# Altium PCB PCB2.PcbDoc
Units mil, origin at the board's own origin, x right, y up, seen from the top; angles counter-clockwise.
Board outline 3947.04 x 3947.04 mil, 2 copper layers (Top Layer, Bottom Layer); 102 components, 107 nets, 491 pads, 69 vias.
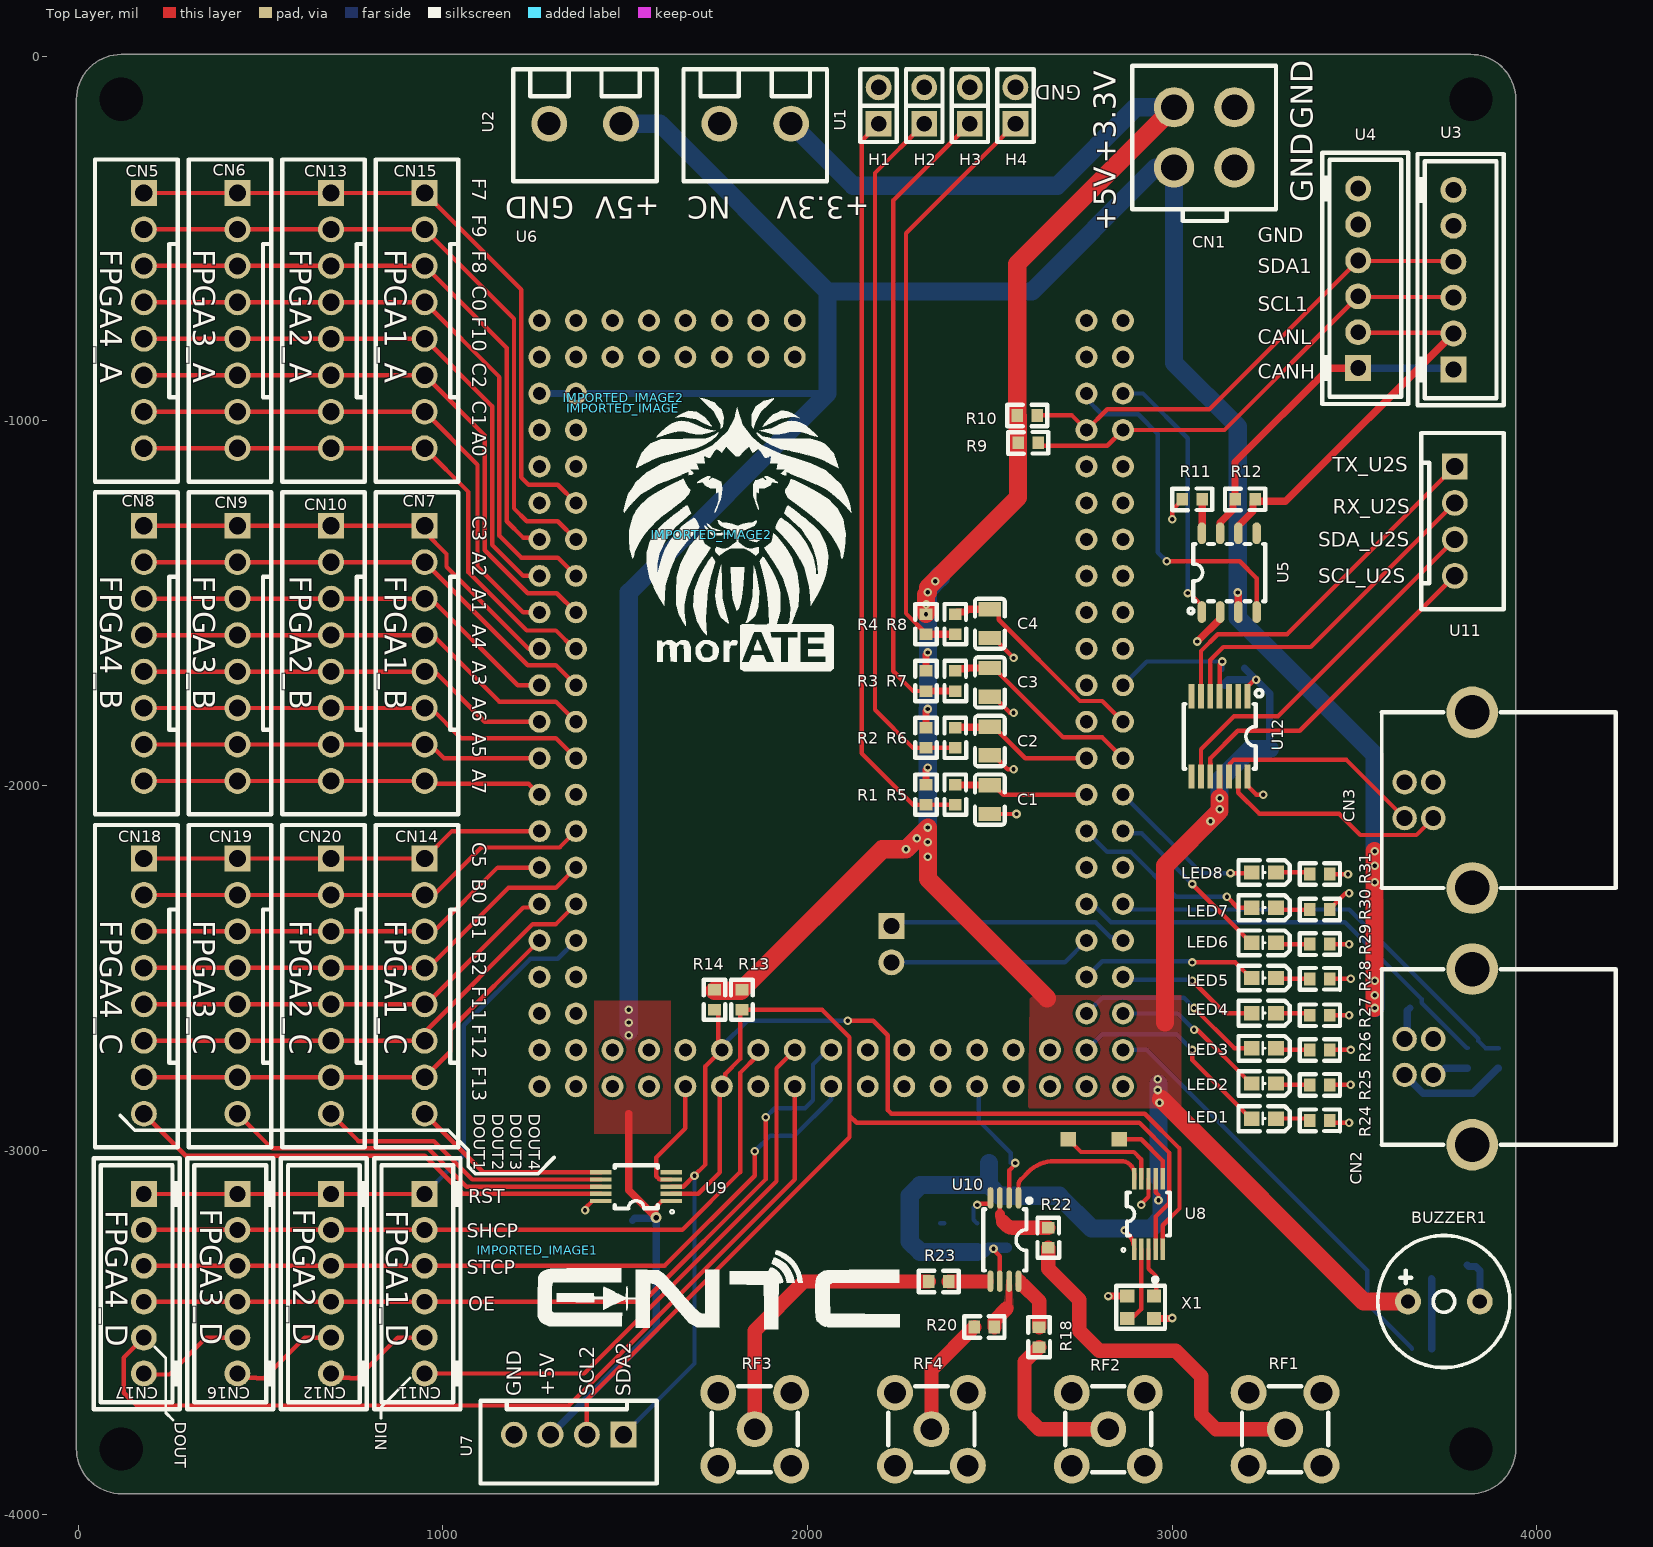
[diagram p0: Top Layer view]
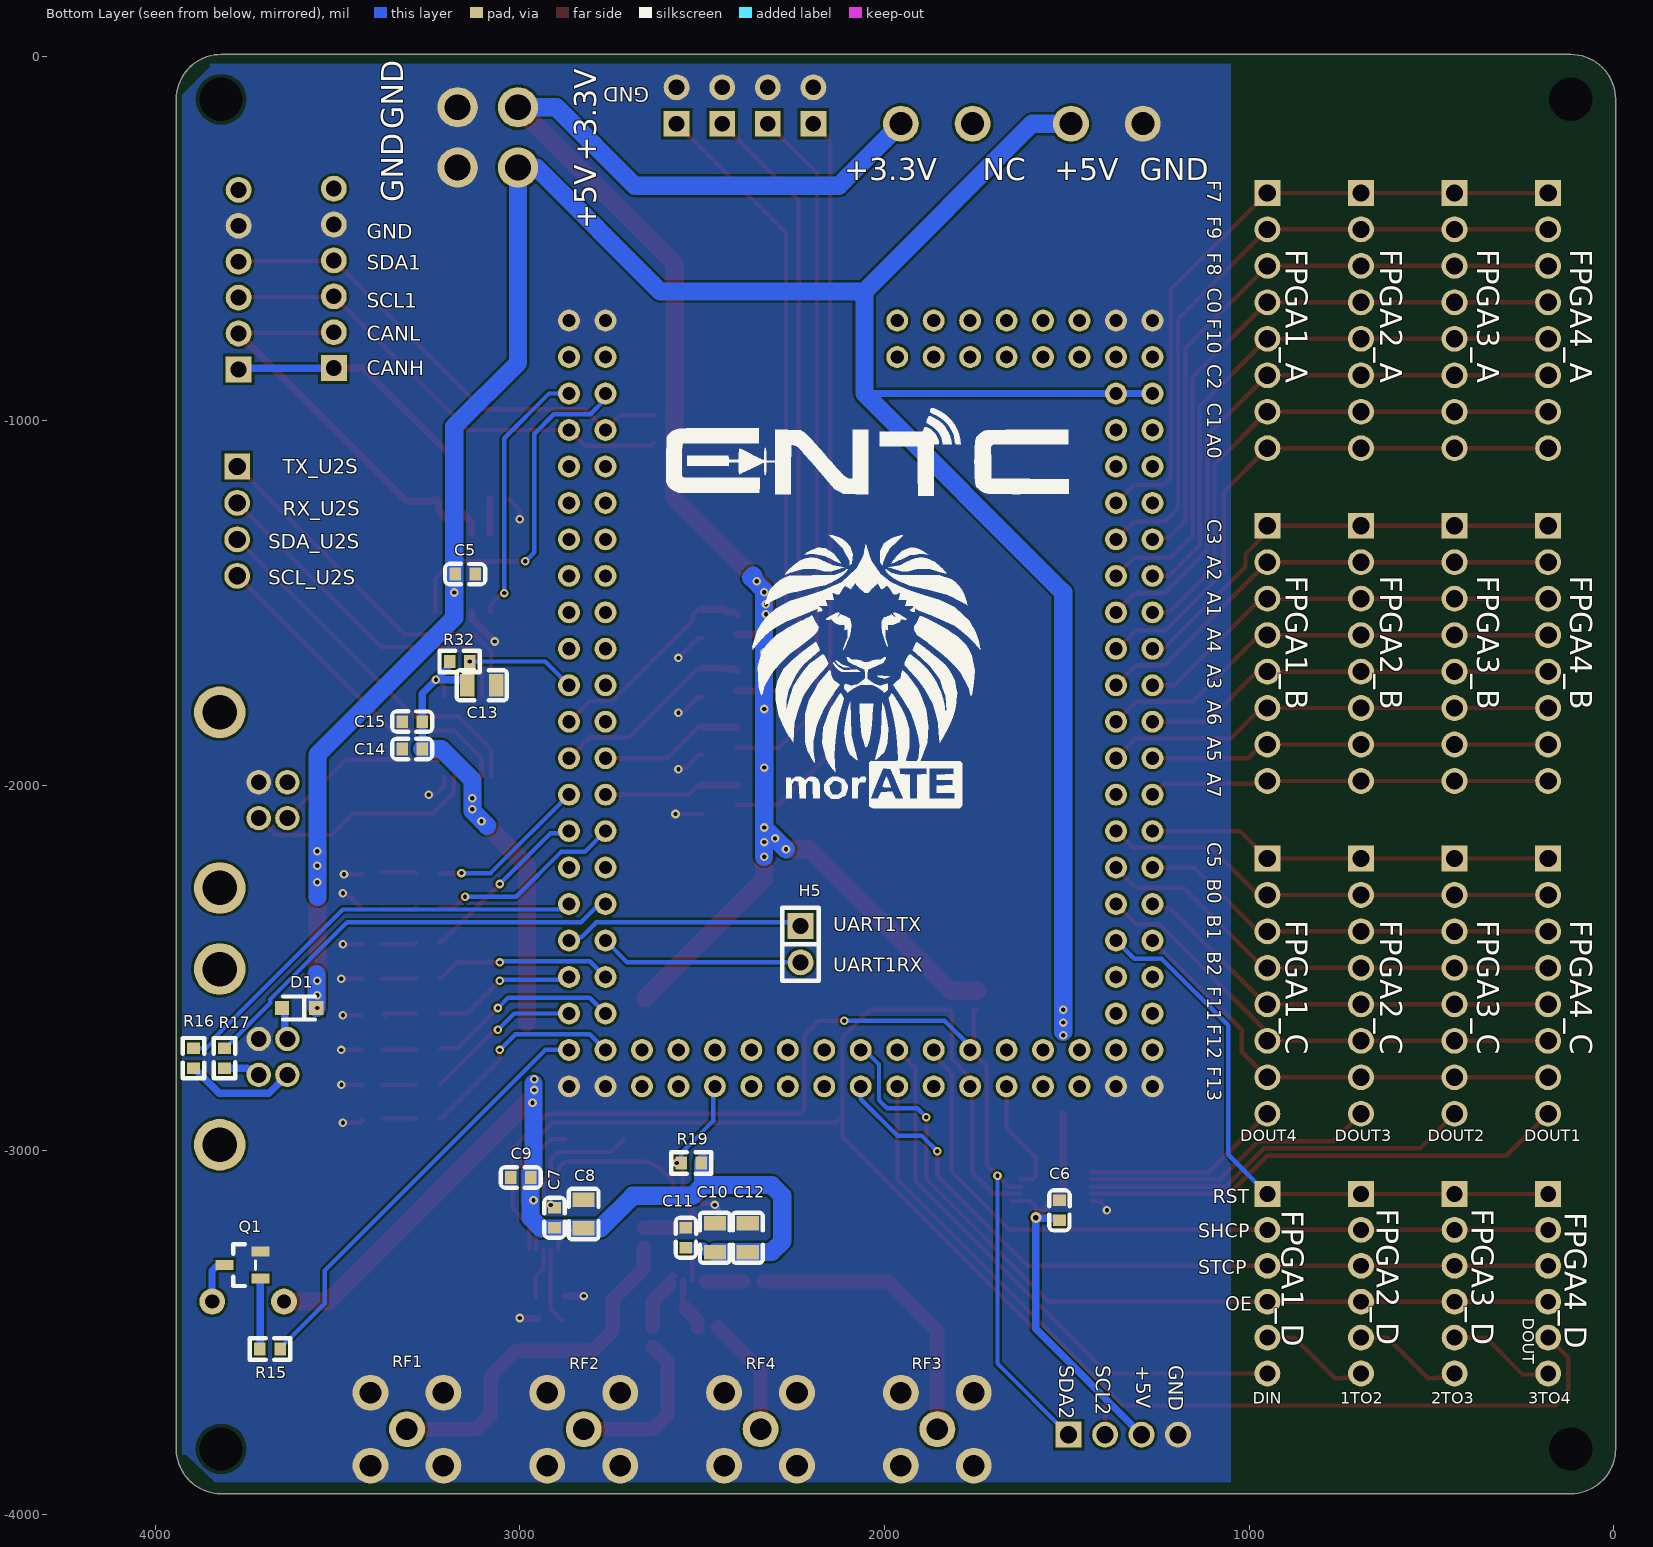
[diagram p1: Bottom Layer view, seen from below]
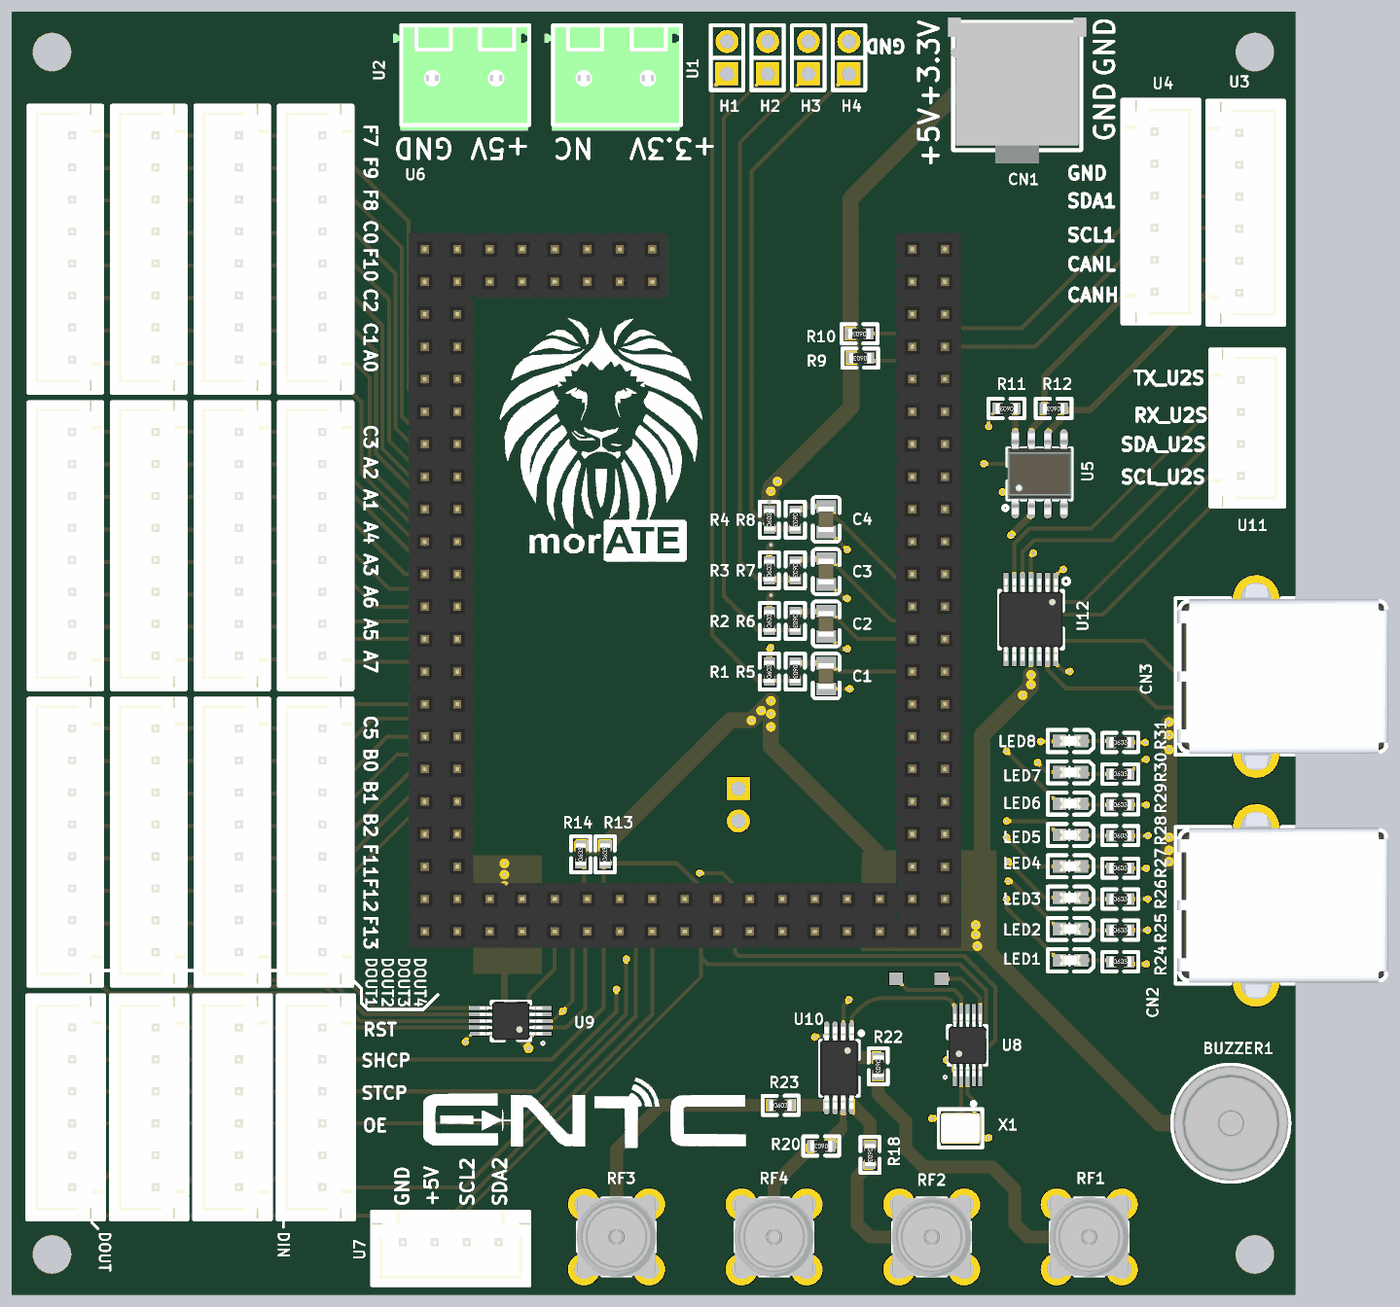
[diagram p2: 3D render of the assembled board from above, using the file's embedded part models]
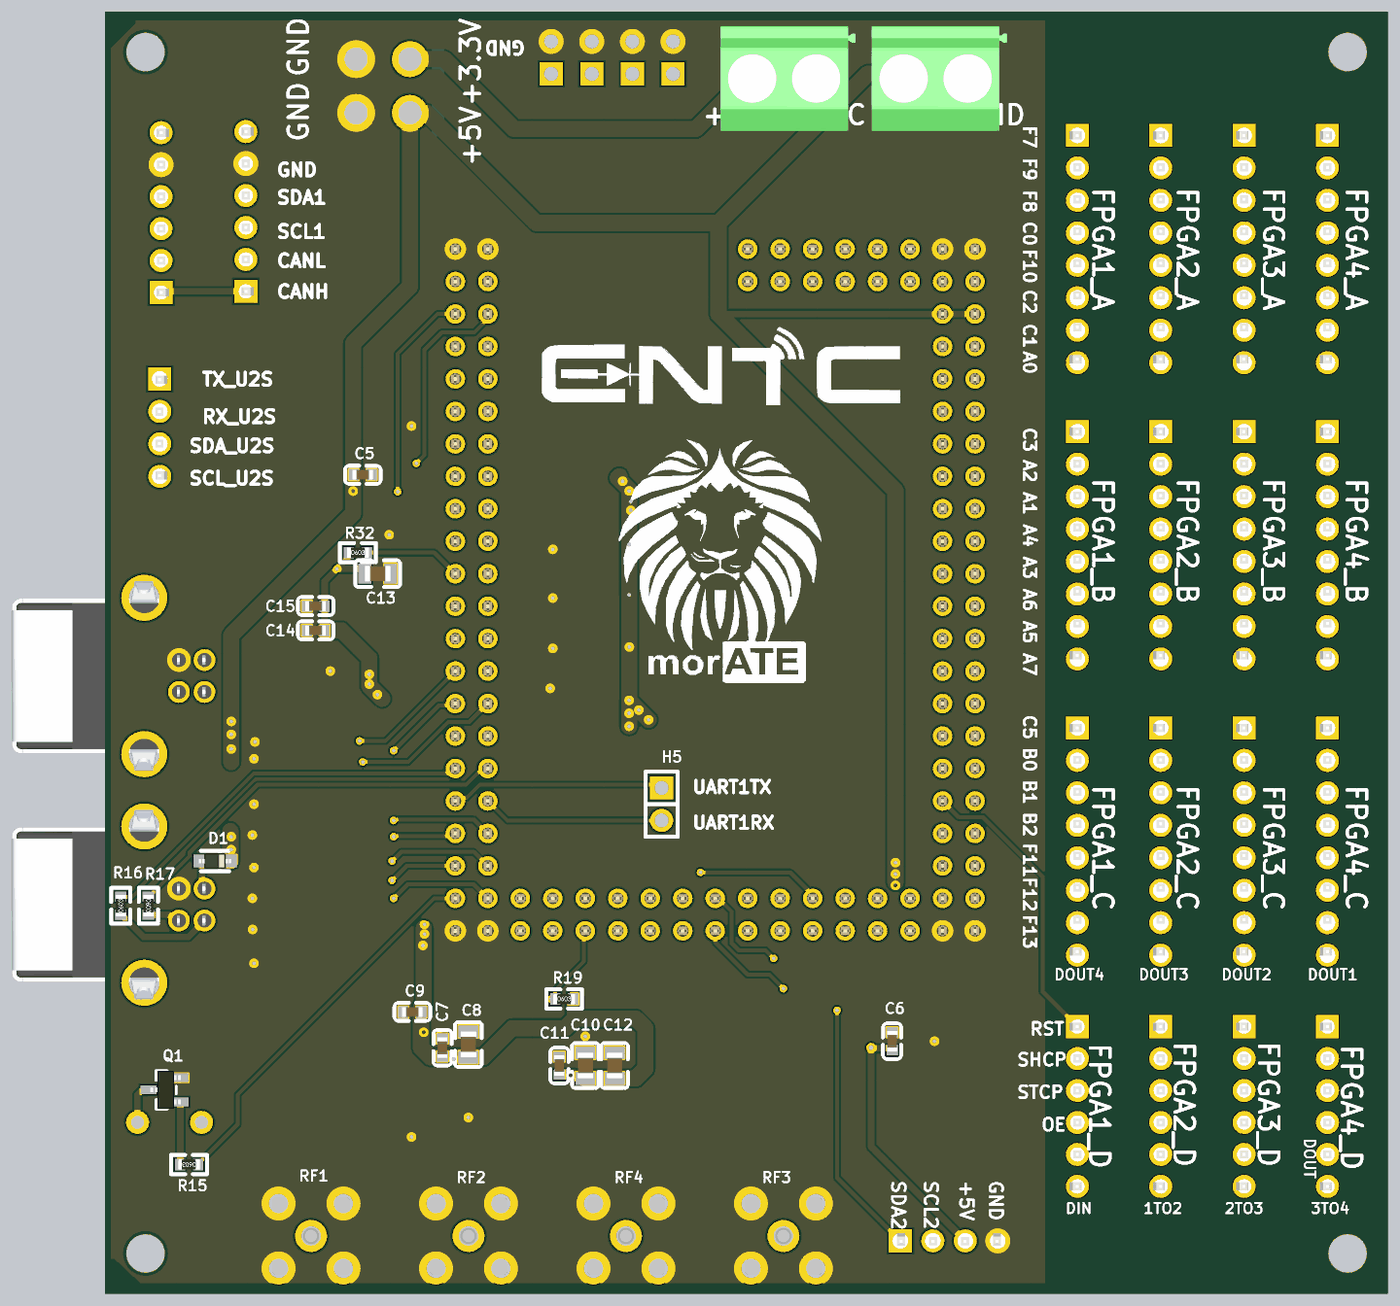
[diagram p3: 3D render of the assembled board from below, using the file's embedded part models]

## Layer stack, top to bottom
Top Solder: solder mask 0.4, Solder Resist, Dk 3.5
Top Layer: signal copper 1.4
Dielectric 1: dielectric 12.6, FR-4, Dk 4.8
Bottom Layer: signal copper 1.4
Bottom Solder: solder mask 0.4, Solder Resist, Dk 3.5

## Board outline
-5.01,-3818.9 ccw(c118.11,-3818.9) 118.11,-3942.02 ccw(c118.11,-3937.01) 118.14,-3942.02 3818.9,-3942.02 ccw(c3818.9,-3818.9) 3942.02,-3818.9 3942.02,-118.11 ccw(c3818.9,-118.11) 3818.9,5.02 3779.53,5.02 ccw(c3779.53,0) 3779.5,5.02 118.11,5.02 ccw(c118.11,-118.11) -5.01,-118.11

## Design rules (kind name [scope] priority, off if disabled: settings)
BoardOutlineClearance [All] p1: gap=7.87 ignorepadtopadclearanceinfootprint=FALSE
Clearance [All] p1: gap=6 ignorepadtopadclearanceinfootprint=FALSE except(5: Arc-Text Track-Text SMDPad-Text THPad-Text Via-Text Fill-Text Poly-Text Region-Text Text-Text; 7: Arc-THPad Track-THPad SMDPad-THPad THPad-THPad THPad-Via THPad-Fill THPad-Poly THPad-Region; 9.84: Arc-Hole Track-Hole SMDPad-Hole Via-Hole Fill-Hole Poly-Hole Region-Hole Text-Hole; 10: Fill-Fill Fill-Poly Fill-Region Poly-Poly Poly-Region Region-Region; 12.99: THPad-Hole)
ComponentClearance [All] p1: gap=0 collisioncheckmode=3 verticalgap=5 showdistances=TRUE
DiffPairsRouting [All] p1: maxlimit=10 minlimit=5 mostfreqgap=5 toplayer_minwidth=5 toplayer_maxwidth=1000 toplayer_prefwidth=5 bottomlayer_minwidth=5 bottomlayer_maxwidth=1000 bottomlayer_prefwidth=5 maxuncoupledlength=500
Height [All] p1: minheight=0 maxheight=71497.94 prefheight=500
HoleSize [All] p1: absolutevalues=TRUE maxlimit=248.03 minlimit=11.81 maxpercent=80.000 minpercent=20.000
HoleToHoleClearance [All] p1: gap=9.84 allowstackedmicrovias=FALSE
MinimumAnnularRing [All] p1: minimumring=5.12
MinimumSolderMaskSliver [All] p1: minsoldermaskwidth=0
PlaneClearance [All] p1: clearance=5
PlaneConnect PlaneConnectPowerPads [InPadClass('PowerPads')] p1: planeconnectstyle=Direct reliefexpansion=20 reliefentries=4 reliefconductorwidth=10 reliefairgap=10
PlaneConnect [All] p2: pad.planeconnectstyle=Relief pad.reliefexpansion=11.81 pad.reliefentries=4 pad.reliefconductorwidth=5 pad.reliefairgap=5 via.planeconnectstyle=Direct via.reliefexpansion=11.81 via.reliefentries=4 via.reliefconductorwidth=5 via.reliefairgap=5
PolygonConnect PolygonConnectPowerPads [All vs (InPadClass('PowerPads'))] p1: connectstyle=Direct reliefconductorwidth=10 reliefentries=4 polygonreliefangle="90 Angle" airgapwidth=10
PolygonConnect [All] p2: connectstyle=Direct reliefconductorwidth=5 reliefentries=4 polygonreliefangle="90 Angle" airgapwidth=5
RoutingVias [All] p1: holewidth=11.81 width=23.62 viastyle="Through Hole" minholewidth=11.81 minwidth=23.62 maxholewidth=23.62 maxwidth=259.84
SilkToSilkClearance [All] p1: silktosilkclearance=0
SilkToSolderMaskClearance [IsPad] p1: minsilkscreentomaskgap=5 clearancetoexposedcopper=TRUE
SolderMaskExpansion [All] p1: expansion=2.95
Width [All] p1: maxlimit=1000 minlimit=5 preferedwidth=10 minimp=50.000000 maximp=50.000000 favimp=50.000000
20 further rules are at their usual default settings.

## Components (designator, comment, footprint, x,y, rotation, side; value= is the part's Value field where it differs from the comment)
BUZZER1 "HNB09A03" BUZ-TH_BD9.0-P5.00-D0.6-FD 3745,-3415 r0 top
C1 "1uF" C0805 2500,-2038.74 r90 top
C2 "1uF" C0805 2500,-1877.89 r90 top
C3 "1uF" C0805 2500,-1717.04 r90 top
C4 "1uF" C0805 2500,-1556.19 r90 top
C5 "100nF" C0603 3150,-1420 r0 bottom
C6 "100nF" C0603 1520,-3165 r90 bottom
C7 "100nF" C0603 2905,-3185 r270 bottom
C8 "1uF" C0805 2825,-3175 r270 bottom
C9 "100nF" C0603 2997.44,-3075 r180 bottom
C10 "10uF" C0805 2465,-3240 r270 bottom
C11 "100nF" C0603 2545,-3240 r270 bottom
C12 "1uF" C0805 2375,-3240 r270 bottom
C13 "1uF" C0805 3104.37,-1725 r180 bottom
C14 "100nF" C0603 3295,-1900 r180 bottom
C15 "470nF" C0603 3295,-1825 r180 bottom
CN1 "pitch4.2MMsocket2*2P" CONN-TH_HAA420A-4A 3087.7,-222.7 r180 top
CN2 "USB-B-Female-TH_C46393" USB-B_TH_BF90 3730,-2744.21 r90 top
CN3 "USB-B-Female-TH_C46393" USB-B_TH_BF90 3730,-2040 r90 top
CN5 "B8B-XH-A (LF)(SN)" "CONN-TH_B8B-XH-A (LF)(SN)" 180,-725 r90 top locked
CN6 "B8B-XH-A (LF)(SN)" "CONN-TH_B8B-XH-A (LF)(SN)" 436.67,-725 r90 top locked
CN7 "B8B-XH-A (LF)(SN)" "CONN-TH_B8B-XH-A (LF)(SN)" 950,-1637.5 r90 top locked
CN8 "B8B-XH-A (LF)(SN)" "CONN-TH_B8B-XH-A (LF)(SN)" 180,-1637.5 r90 top locked
CN9 "B8B-XH-A (LF)(SN)" "CONN-TH_B8B-XH-A (LF)(SN)" 436.67,-1637.5 r90 top locked
CN10 "B8B-XH-A (LF)(SN)" "CONN-TH_B8B-XH-A (LF)(SN)" 693.33,-1637.5 r90 top locked
CN11 "B6B-XH-A(LF)(SN)" CONN-TH_6P-P2.50_B6B-XH-A(LF)(SN) 949.97,-3366.1 r270 top locked
CN12 "B6B-XH-A(LF)(SN)" CONN-TH_6P-P2.50_B6B-XH-A(LF)(SN) 693.3,-3366.1 r270 top locked
CN13 "B8B-XH-A (LF)(SN)" "CONN-TH_B8B-XH-A (LF)(SN)" 693.33,-725 r90 top locked
CN14 "B8B-XH-A (LF)(SN)" "CONN-TH_B8B-XH-A (LF)(SN)" 950,-2550 r90 top locked
CN15 "B8B-XH-A (LF)(SN)" "CONN-TH_B8B-XH-A (LF)(SN)" 950,-725 r90 top locked
CN16 "B6B-XH-A(LF)(SN)" CONN-TH_6P-P2.50_B6B-XH-A(LF)(SN) 436.64,-3366.1 r270 top locked
CN17 "B6B-XH-A(LF)(SN)" CONN-TH_6P-P2.50_B6B-XH-A(LF)(SN) 179.97,-3366.1 r270 top locked
CN18 "B8B-XH-A (LF)(SN)" "CONN-TH_B8B-XH-A (LF)(SN)" 180,-2550 r90 top locked
CN19 "B8B-XH-A (LF)(SN)" "CONN-TH_B8B-XH-A (LF)(SN)" 436.67,-2550 r90 top locked
CN20 "B8B-XH-A (LF)(SN)" "CONN-TH_B8B-XH-A (LF)(SN)" 693.33,-2550 r90 top locked
D1 "CUS08F30,H3F" SOD-323F_L2.0-W1.6-LS2.5-RD 3605,-2610 r0 bottom
H1 "A2541WV-2P" HDR-TH_P2.54-H-M_A2541WV-2P 2195,-135.39 r90 top
H2 "A2541WV-2P" HDR-TH_P2.54-H-M_A2541WV-2P 2320,-135.39 r90 top
H3 "A2541WV-2P" HDR-TH_P2.54-H-M_A2541WV-2P 2445,-135.39 r90 top
H4 "A2541WV-2P" HDR-TH_P2.54-H-M_A2541WV-2P 2570,-135.39 r90 top
H5 "A2541WV-2P" HDR-TH_P2.54-H-M_A2541WV-2P 2230,-2435 r270 bottom
IMPORTED_IMAGE "Comment" IMPORTED_IMAGE 1495,-965 r0 top
IMPORTED_IMAGE1 "Comment" IMPORTED_IMAGE 1259.77,-3274.9 r0 top (schematic designator IMPORTED_IMAGE)
IMPORTED_IMAGE2 "Comment" IMPORTED_IMAGE 1737.32,-1311.71 r0 top (schematic designator IMPORTED_IMAGE)
IMPORTED_IMAGE2 "Comment" IMPORTED_IMAGE 1495.32,-936.71 r0 top (schematic designator IMPORTED_IMAGE)
LED1 "GREEN" LED0603-R-RD 3251.26,-2913.5 r180 top
LED2 "GREEN" LED0603-R-RD 3251.26,-2817.08 r180 top
LED3 "GREEN" LED0603-R-RD 3251.26,-2720.65 r180 top
LED4 "GREEN" LED0603-R-RD 3251.26,-2624.22 r180 top
LED5 "RED" LED0603-R-RD 3251.26,-2527.79 r180 top
LED6 "RED" LED0603-R-RD 3251.26,-2431.36 r180 top
LED7 "ORANGE" LED0603-R-RD 3251.26,-2334.93 r180 top
LED8 "ORANGE" LED0603-R-RD 3251.26,-2238.5 r180 top
Q1 "MMBT3904LT1G" SOT-23-3_L2.9-W1.6-P1.90-LS2.8-BR 3760,-3315 r180 bottom
R1 "10K" R0603 2325,-2025 r90 top
R2 "10K" R0603 2325,-1869.15 r90 top
R3 "10K" R0603 2325,-1713.3 r90 top
R4 "10K" R0603 2325,-1557.44 r90 top
R5 "10K" R0603 2405,-2025 r270 top
R6 "10K" R0603 2405,-1869.15 r270 top
R7 "10K" R0603 2405,-1713.3 r270 top
R8 "10K" R0603 2405,-1557.44 r270 top
R9 "4.7K" R0603 2605,-1060 r180 top
R10 "4.7K" R0603 2602.44,-985 r180 top
R11 "10K" R0603 3055,-1215 r180 top
R12 "100" R0603 3200,-1215 r180 top
R13 "4.7K" R0603 1820,-2587.44 r90 top
R14 "4.7K" R0603 1745,-2587.44 r90 top
R15 "1K" R0603 3685,-3545 r0 bottom
R16 "22" R0603 3895,-2747.56 r90 bottom
R17 "22" R0603 3810,-2747.44 r270 bottom
R18 "10" R0603 2635,-3512.56 r270 top
R19 "10K" R0603 2530,-3035 r180 bottom
R20 "10" R0603 2485,-3485 r180 top
R22 "10" R0603 2660,-3240 r270 top
R23 "10" R0603 2360,-3360 r0 top
R24 "1K" R0603 3405,-2917.98 r0 top
R25 "1K" R0603 3405,-2820.83 r0 top
R26 "1K" R0603 3405,-2725 r0 top
R27 "1K" R0603 3405,-2630 r0 top
R28 "1K" R0603 3405,-2530 r0 top
R29 "1K" R0603 3405,-2435 r0 top
R30 "1K" R0603 3405,-2340.12 r0 top
R31 "1K" R0603 3405,-2242.98 r0 top
R32 "10K" R0603 3165,-1660 r180 bottom
RF1 "SMA 50Ohm Coaxial Connectors" BWSMA-KE-Z001 3309.38,-3765 r90 top
RF2 "SMA 50Ohm Coaxial Connectors" BWSMA-KE-Z001 2824.59,-3765 r90 top
RF3 "SMA 50Ohm Coaxial Connectors" BWSMA-KE-Z001 1855,-3765 r90 top
RF4 "SMA 50Ohm Coaxial Connectors" BWSMA-KE-Z001 2339.79,-3765 r90 top
U1 "DB126V-5.0-2P" CONN-TH_2P-P5.00_L7.8-W10.0 1856.58,-185 r180 top
U2 "DB126V-5.0-2P" CONN-TH_2P-P5.00_L7.8-W10.0 1390,-185 r180 top
U3 "B6B-XH-A(LF)(SN)" CONN-TH_6P-P2.50_B6B-XH-A(LF)(SN) 3771.07,-612.68 r90 top
U4 "B6B-XH-A(LF)(SN)" CONN-TH_6P-P2.50_B6B-XH-A(LF)(SN) 3509.97,-609.26 r90 top
U5 "MCP2551-I/SN" SOIC-8_L4.9-W3.9-P1.27-LS6.0-BL 3156.5,-1416.26 r0 top
U6 "STM32F103ZET Mini Dev Board" "STM32F103ZET MINI DEV BOARD" 1265,-725 r0 top locked
U7 "B4B-XH-A(LF)(SN)" "CONN-TH_B4B-XH-A (LF)(SN)" 1345,-3780 r180 top
U8 "SI5351A-B-GT" MSOP-10_L3.0-W3.0-P0.50-LS5.0-BL 2935,-3175 r0 top
U9 "MCP4728-E/UN" MSOP-10_L3.0-W3.0-P0.50-LS5.0-TL 1530,-3100 r180 top
U10 "CDCLVC1104PWR" TSSOP-8_L4.4-W3.0-P0.65-LS6.4-BL 2540,-3245 r180 top
U11 "B4B-XH-A(LF)(SN)" "CONN-TH_B4B-XH-A (LF)(SN)" 3775,-1275 r270 top
U12 "MCP2221A-I/ST" TSSOP-14_L5.0-W4.4-P0.65-LS6.4-BL 3130,-1865 r180 top
X1 "27MHz" OSC-SMD_4P-L2.5-W2.0-BL 2913.39,-3430.71 r180 top

## Footprints (in the part's own frame and the unit in brackets; to place one, negate y for a bottom-side part, rotate by r counter-clockwise, add the part's x,y. Pads: shape width x height; smd on the part's side, far side on the other; paste and mask are expansions set on the pad)
BUZ-TH_BD9.0-P5.00-D0.6-FD [mm]
  round 1.8 hole 1: 1(-2.5,0) 2(2.5,0)
  silkscreen extent -4.6,-4.6 4.6,4.6, body extent -4.48,-4.5 4.52,4.5, height 8
BWSMA-KE-Z001 [mm] "SMA 50Ohm Coaxial Connectors"
  round 2.5 hole 1.5: 1(-2.54,-2.54) 2(-2.54,2.54) 3(2.54,2.54) 4(2.54,-2.54) 5(0,0)
  silkscreen extent -3,-3 3,3, body extent -3.13,-3.13 3.13,3.13, height 9.55
C0603 [mm]
  rect 0.8x0.9 smd: 1(-0.7,0) 2(0.7,0)
  silkscreen extent -1.4,-0.7 1.4,0.72, body extent -0.8,-0.4 0.8,0.4, height 0.8
C0805 [mm]
  rect 1x1.55 smd: 1(-1,0) 2(1,0)
  silkscreen extent -1.75,-1.04 1.75,1.04, body extent -1,-0.62 1,0.63, height 1.25
CONN-TH_2P-P5.00_L7.8-W10.0 [mm]
  round 2.5 hole 1.6: 1(-2.5,0) 2(2.5,0)
  silkscreen extent -5,-3.8 5,4, body extent -4.9,-3.7 5.67,4.45, height 3.5
CONN-TH_6P-P2.50_B6B-XH-A(LF)(SN) [mm]
  rect 1.8x1.8 hole 1.1: 1(-6.251,0.001)
  round 1.8 hole 1.1: 2(-3.749,-0.001) 3(-1.249,-0.001) 4(1.251,-0.001) 5(3.751,-0.001) 6(6.251,-0.001)
  silkscreen extent -8.75,-3.5 8.75,2.5, body extent -8.7,-3.4 8.7,2.35, height 7
"CONN-TH_B4B-XH-A (LF)(SN)" [mm]
  rect 1.8x1.8 hole 1.2: 1(-3.81,0)
  round 1.8 hole 1.2: 2(-1.27,0) 3(1.27,0) 4(3.81,0)
  silkscreen extent -6.14,-2.35 6.14,3.4, body extent -6.2,-2.32 6.2,3.43, height 7
"CONN-TH_B8B-XH-A (LF)(SN)" [mm]
  rect 1.8x1.8 hole 1.2: 1(8.89,0)
  round 1.8 hole 1.2: 2(6.35,0) 3(3.81,0) 4(1.27,0) 5(-1.27,0) 6(-3.81,0) 7(-6.35,0) 8(-8.89,0)
  silkscreen extent -11.22,-2.35 11.22,3.4, body extent -11.06,-2.35 11.34,3.4, height 7
CONN-TH_HAA420A-4A [mm]
  round 2.8 hole 1.8: 1(-2.101,-2.101) 2(-2.101,2.101) 3(2.101,-2.101) 4(2.101,2.101)
  silkscreen extent -5,-5 5,5.82, body extent -5.4,-5.35 5.4,6.05, height 2.1
HDR-TH_P2.54-H-M_A2541WV-2P [mm]
  rect 1.8x1.8 hole 1.1: 1(-1.27,0)
  round 1.8 hole 1.1: 2(1.27,0)
  silkscreen extent -2.54,-1.27 2.54,1.27
IMPORTED_IMAGE [mil]
LED0603-R-RD [mil]
  rect 43x39 smd: 1(33.5,0) 2(-33.5,0)
  silkscreen extent -72,-34 70,34, body extent -31,-16 31,16, height 21
MSOP-10_L3.0-W3.0-P0.50-LS5.0-BL [mil]
  rect 12x59.06 smd: 1(-39.37,-96.5) 2(-19.68,-96.5) 3(0,-96.5) 4(19.69,-96.5) 5(39.37,-96.5) 6(39.37,96.5) 7(19.69,96.5) 8(0,96.5) 9(-19.68,96.5) 10(-39.37,96.5)
  silkscreen extent -74,-103 59,59, body extent -59,-96 59,96, height 39
MSOP-10_L3.0-W3.0-P0.50-LS5.0-TL [mil]
  rect 59.06x12 smd: 1(-96.5,39.37) 2(-96.5,19.68) 3(-96.5,0) 4(-96.5,-19.69) 5(-96.5,-39.37) 6(96.5,-39.37) 7(96.5,-19.69) 8(96.5,0) 9(96.5,19.68) 10(96.5,39.37)
  silkscreen extent -103,-59 59,74, body extent -96,-59 96,59, height 39
OSC-SMD_4P-L2.5-W2.0-BL [mm]
  rect 1x0.9 smd: 1(-0.93,-0.78) 2(0.93,-0.78) 3(0.93,0.78) 4(-0.93,0.78)
  silkscreen extent -1.7,-2.08 1.7,1.5, body extent -1.6,-1.25 1.6,1.25, height 0.64
R0603 [mm]
  rect 0.8x0.9 smd: 1(-0.7,0) 2(0.7,0)
  silkscreen extent -1.4,-0.75 1.4,0.76, body extent -0.85,-0.4 0.85,0.4, height 0.56
SOD-323F_L2.0-W1.6-LS2.5-RD [mm]
  rect 1x1 smd: 1(-1.2,0) 2(1.2,0)
  silkscreen extent -1.1,-0.8 1.1,0.8, body extent -1.25,-0.62 1.25,0.63, height 1.1
SOIC-8_L4.9-W3.9-P1.27-LS6.0-BL [mm]
  oval 0.6x1.518 smd: 1(-1.905,-2.74) 2(-0.635,-2.74) 3(0.635,-2.74) 4(1.905,-2.74) 5(1.905,2.74) 6(0.635,2.74) 7(-0.635,2.74) 8(-1.905,2.74)
  silkscreen extent -2.86,-2.86 2.5,2, body extent -2.5,-3.17 2.5,3.17, height 1.88
SOT-23-3_L2.9-W1.6-P1.90-LS2.8-BR [mm]
  rect 1.25x0.7 smd: 1(1.25,-0.95) 2(1.25,0.95) 3(-1.25,0)
  silkscreen extent -0.65,-1.46 0.9,1.46, body extent -1.11,-1.48 1.27,1.47, height 1.02
"STM32F103ZET MINI DEV BOARD" [mil]
  round 60 hole 36: 1(700,0) 2(700,-100) 3(600,0) 4(600,-100) 5(500,0) 6(500,-100) 7(400,0) 8(400,-100) 9(300,0) 10(300,-100) 11(200,0) 12(200,-100) 13(0,0) 14(100,0) 15(0,-100) 16(100,-100) 17(0,-200) 18(100,-200) 19(0,-300) 20(100,-300) 21(0,-400) 22(100,-400) 23(0,-500) 24(100,-500) 25(0,-600) 26(100,-600) 27(0,-700) 28(100,-700) 29(0,-800) 30(100,-800) 31(0,-900) 32(100,-900) 33(0,-1000) 34(100,-1000) 35(0,-1100) 36(100,-1100) 37(0,-1200) 38(100,-1200) 39(0,-1300) 40(100,-1300) 41(0,-1400) 42(100,-1400) 43(0,-1500) 44(100,-1500) 45(0,-1600) 46(100,-1600) 47(0,-1700) 48(100,-1700) 49(0,-1800) 50(100,-1800) 51(0,-1900) 52(100,-1900) 53(0,-2000) 54(100,-2000) 55(0,-2100) 56(100,-2100) 57(200,-2100) 58(200,-2000) 59(300,-2100) 60(300,-2000) 61(400,-2100) 62(400,-2000) 63(500,-2100) 64(500,-2000) 65(600,-2100) 66(600,-2000) 67(700,-2100) 68(700,-2000) 69(800,-2100) 70(800,-2000) 71(900,-2100) 72(900,-2000) 73(1000,-2100) 74(1000,-2000) 75(1100,-2100) 76(1100,-2000) 77(1200,-2100) 78(1200,-2000) 79(1300,-2100) 80(1300,-2000) 81(1400,-2100) 82(1400,-2000) 83(1600,-2100) 84(1500,-2100) 85(1600,-2000) 86(1500,-2000) 87(1600,-1900) 88(1500,-1900) 89(1600,-1800) 90(1500,-1800) 91(1600,-1700) 92(1500,-1700) 93(1600,-1600) 94(1500,-1600) 95(1600,-1500) 96(1500,-1500) 97(1600,-1400) 98(1500,-1400) 99(1600,-1300) 100(1500,-1300) 101(1600,-1200) 102(1500,-1200) 103(1600,-1100) 104(1500,-1100) 105(1600,-1000) 106(1500,-1000) 107(1600,-900) 108(1500,-900) 109(1600,-800) 110(1500,-800) 111(1600,-700) 112(1500,-700) 113(1600,-600) 114(1500,-600) 115(1600,-500) 116(1500,-500) 117(1600,-400) 118(1500,-400) 119(1600,-300) 120(1500,-300) 121(1600,-200) 122(1500,-200) 123(1600,-100) 124(1500,-100) 125(1600,0) 126(1500,0)